# Altium PCB ReboostV2.PcbDoc (part 2 of 2)
Units mm, origin at the board's own origin, x right, y up, seen from the top; angles counter-clockwise.
Board outline 94 x 70 mm, 4 copper layers (Top Layer, Layer 1, Layer 2, Bottom Layer), stack 1.62 mm thick; 177 components, 121 nets, 601 pads, 304 vias.
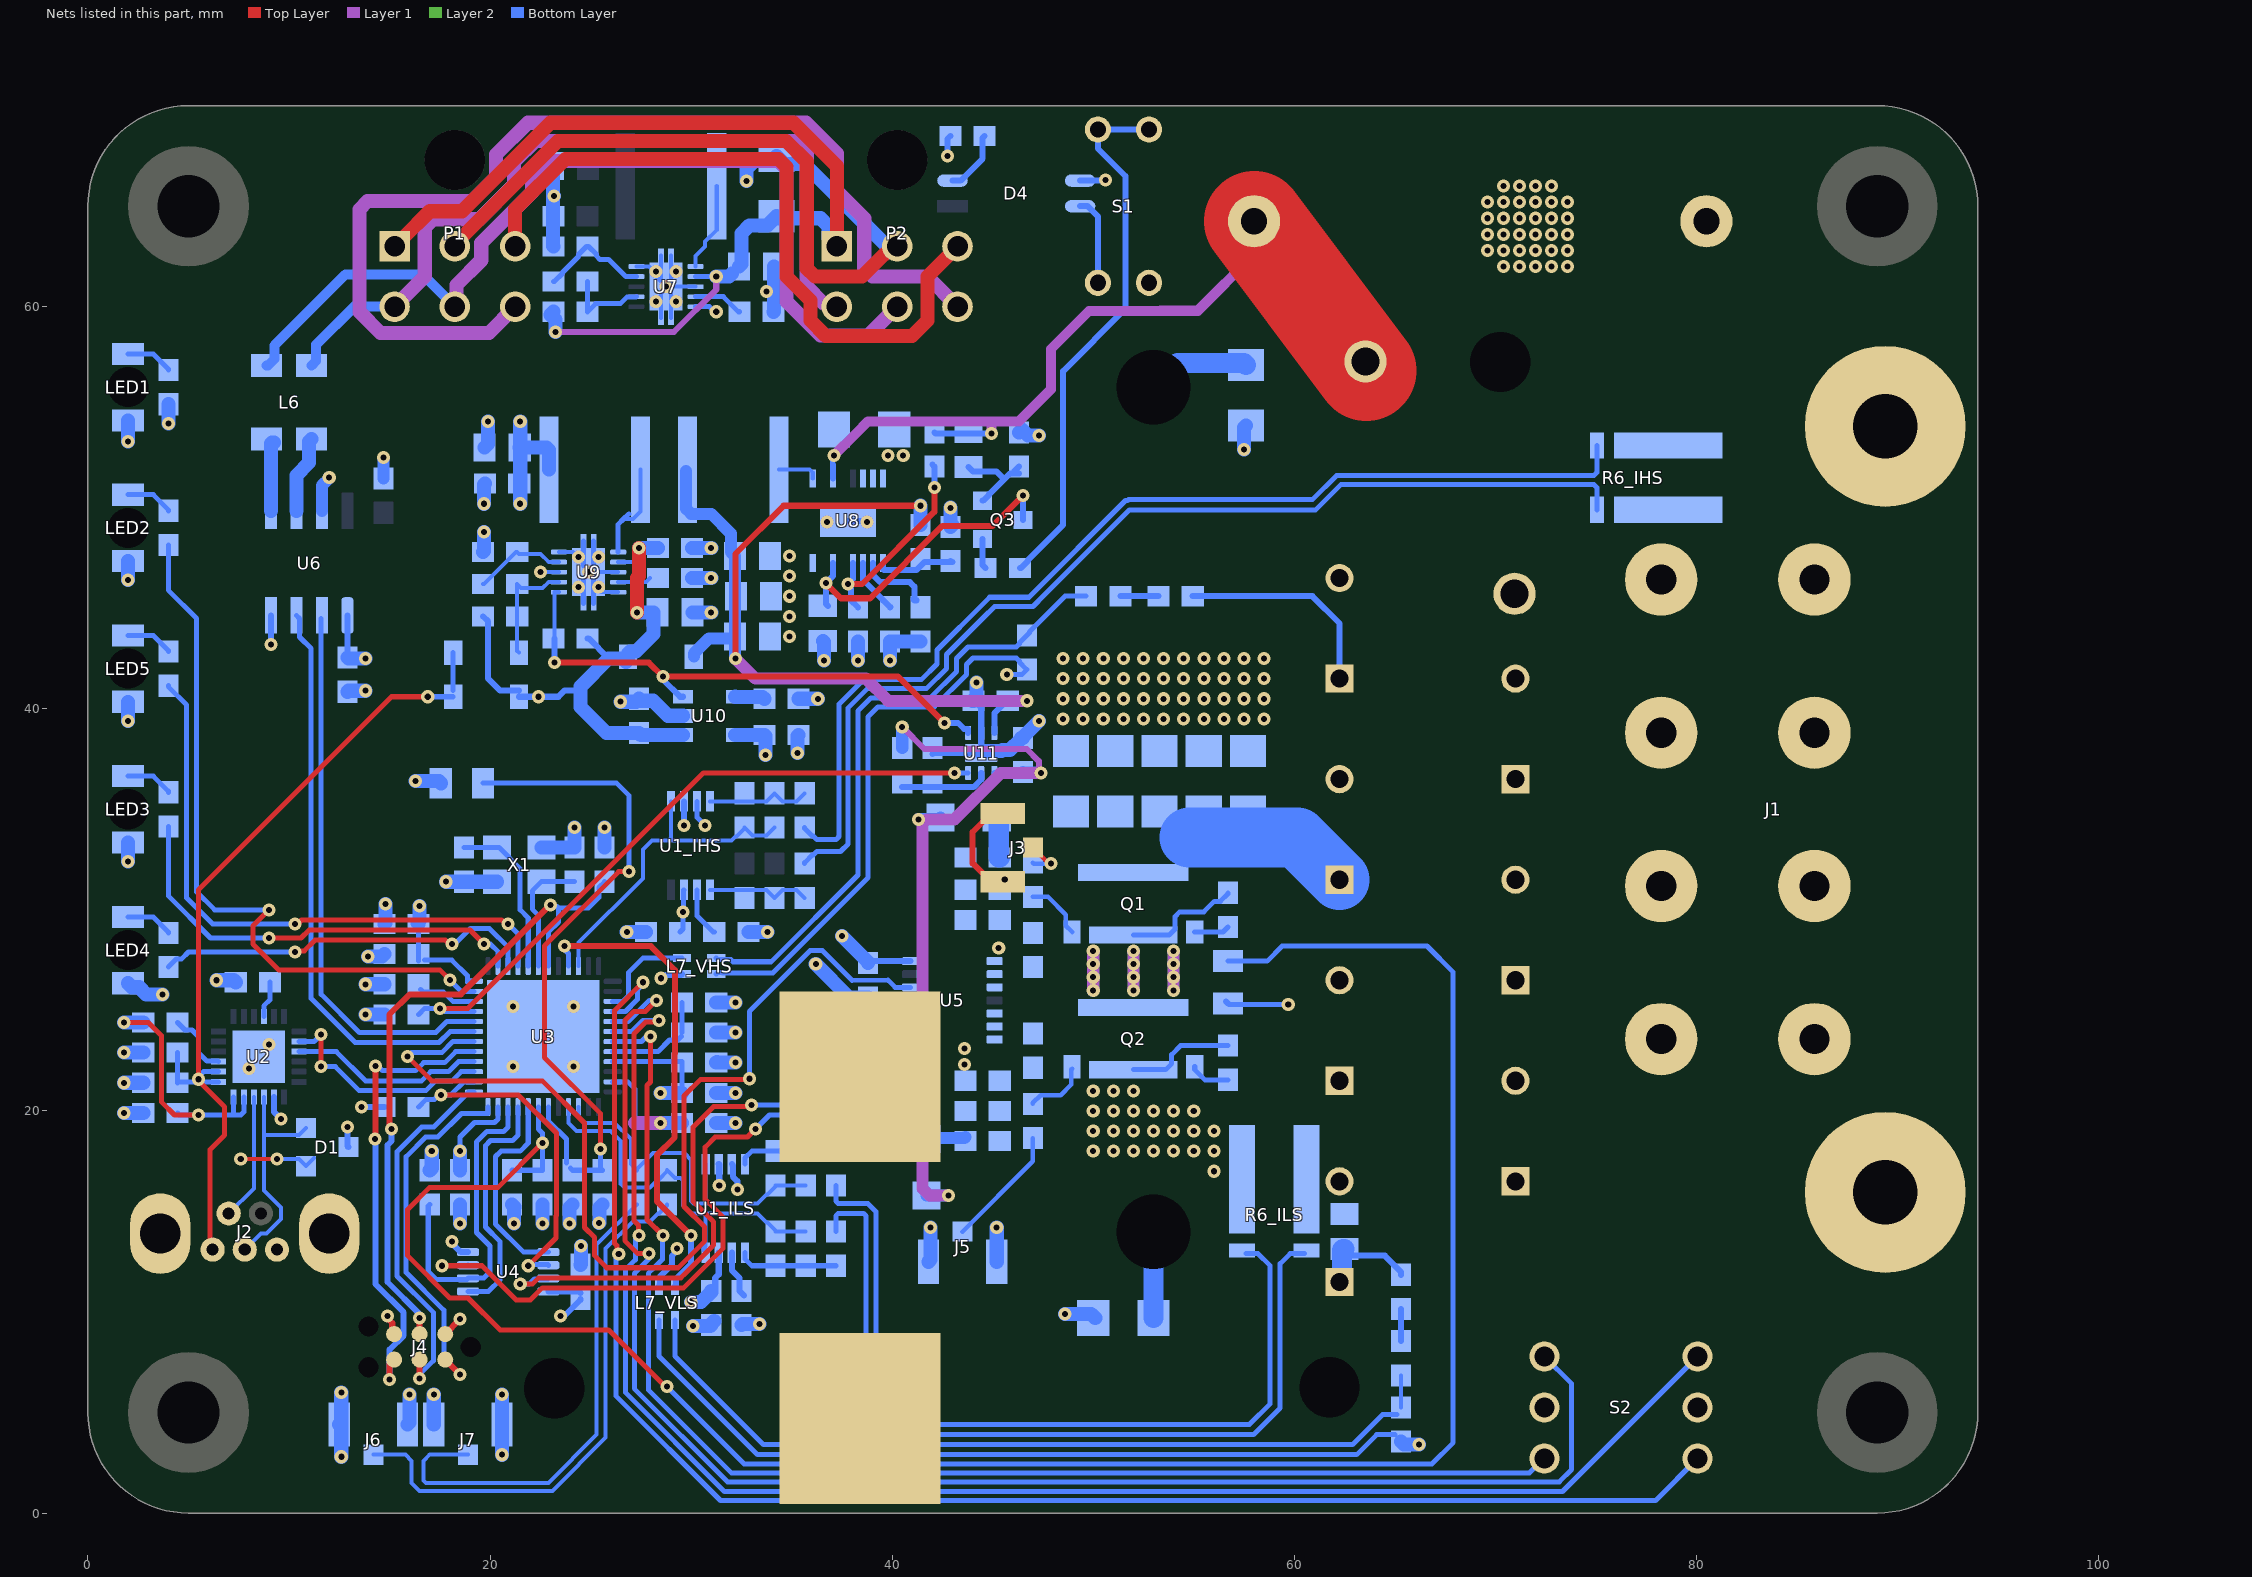
[diagram p4: the nets of this part, all layers, seen from the top]

## Via types
v1: diameter 0.65, hole 0.3, Top Layer to Bottom Layer, tented both sides, 304 vias

## Nets (pads, with @x,y where several pads share a name; then routed paths per layer and width w, separated by ;. In a path a pad name is that pad's centre, name@x,y a point inside that pad or via, vN(x,y) a via of type N, cw(c..) or ccw(c..) an arc to the next point about the centre after c; other vN are vias at no path point) (continued)
_IHS_P: C4_IHS.2 R10_IHS.2 U1_IHS.5 U3.10 | length 16.5
  Bottom Layer w0.2: U3.10@24.4,27.2 24.4,28.366 27.6,31.566 27.6,33.007 28.043,33.45 28.878,33.45 ; U1_IHS.5@28.995,35.4 28.995,33.567 28.878,33.45 ; C4_IHS.2@34.15,34.1 33.75,33.7 33.05,33.7 R10_IHS.2@32.65,34.1 32.65,34.05 32.25,33.65 32.2,33.65 32,33.45 28.878,33.45
_ILS_N: C1_ILS.2 R8_ILS.2 R51.2 U1_ILS.4 U3.28 | length 20
  Bottom Layer w0.2: U3.28@23.9,20.2 23.9,19.4 24.3,19 26,19 26.5,18.5 26.5,16.376 26.676,16.2 27.95,16.2 28.35,16.6 28.4,16.6 28.8,17 R51.2@28.8,17.05 29.191,16.659 29.483,16.659 29.6,16.541 29.6,15.3 30,14.9 30.842,14.9 ; U1_ILS.4@30.62,13.38 30.62,13.055 U1_ILS.4@30.725,12.95 30.725,14.783 30.842,14.9 ; C1_ILS.2@35.7,14 R8_ILS.2@34.2,14 34.2,14.05 33.8,14.45 33.75,14.45 33.3,14.9 30.842,14.9
_ILS_P: C4_ILS.2 R10_ILS.2 R52.2 U1_ILS.5 U3.27 | length 18.6
  Bottom Layer w0.2: U3.27@24.4,20.2 24.4,19.7 24.7,19.4 26.2,19.4 27,18.6 27,17.35 R52.2@27.3,17.05 27.3,17.1 28.1,17.9 29.666,17.9 30,17.566 30,15.517 30.117,15.4 30.725,15.4 ; U1_ILS.5@30.725,17.35 30.725,15.4 ; C4_ILS.2@35.7,16.3 R10_ILS.2@34.2,16.3 34.2,16.25 33.8,15.85 33.75,15.85 33.3,15.4 30.725,15.4
CANH: L6.3 P1.4 P2.4 | length 40.7
  Layer 1 w0.7: P1.4@15.25,60 16.75,61.5 16.75,63.94 17.16,64.35 19.472,64.35 21.2,66.078 21.2,67.2 22.25,68.25 35.34,68.25 35.75,67.84 35.75,61 36.593,60.157 37.093,60.157 P2.4@37.25,60
  Bottom Layer w0.5: L6.3@11.125,57.075 11.347,57.297 11.347,58.107 13.24,60 P1.4@15.25,60
CANL: L6.2 P1.5 P2.5 | length 47
  Layer 1 w0.7: P1.5@18.25,60 18.33,60.08 18.33,61.08 19.56,62.31 19.56,63.165 22.1,65.705 22.1,66.6 22.75,67.25 34.34,67.25 34.75,66.84 34.75,60.25 36.438,58.563 38.812,58.563 P2.5@40.25,60
  Bottom Layer w0.5: L6.2@8.875,57.075 8.955,57.075 9.28,57.4 9.28,58.08 12.8,61.6 16.65,61.6 P1.5@18.25,60
CANRX: U3.43 U6.3 | length 28.6
  Bottom Layer w0.25: U6.3@10.365,44.65 10.523,44.492 10.523,43.577 11.1,43 11.1,25.593 13.293,23.4 17.464,23.4 18.014,23.95 U3.43@19.2,23.95
CANTX: U3.44 U6.2 | length 27.3
  Bottom Layer w0.25: U6.2@11.6,44.5 11.6,25.8 13.5,23.9 17.3,23.9 17.85,24.45 U3.44@19.2,24.45
CGND: C42.1 C43.1 C44.1 C45.1 C46.1 C47.1 P1.2 P2.2 R29.1 R31.1 U6.7 U7.3@30.225,61 U7.5 U7.10 U7.CP | length 62.2
  Top Layer w0.7: P1.2@18.25,63 18.25,63.123 23.377,68.25 34.713,68.25 35.75,67.213 35.75,61.91 36.16,61.5 38.5,61.5 39.59,62.59 39.618,62.59 40.028,63 P2.2@40.25,63
  Bottom Layer w0.2: U7.10@27.275,62 27.9,62 28.296,61.604 28.296,61.454 U7.CP@28.75,61 ; U7.CP@28.5,59.45 28.5,60.669 28.75,60.919 U7.CP@28.75,60.985 ; U7.CP@28.5,61.331 U7.CP@28.5,62.55 ; U7.CP@29,59.45 29,60.735 U7.CP@28.75,60.985 ; U7.CP@29,62.55 29,61.265 28.75,61.015 U7.CP@28.75,61 ; U7.3@30.225,61 U7.CP@28.75,61 ; U7.CP@28.75,60.985 U7.CP@28.75,61
  Bottom Layer w0.25: U7.5@30.225,60 30.902,60 31.152,59.75 v1(31.25,59.75)
  Bottom Layer w0.3: v1(42.75,67.5) 42.75,68.35 R29.1@42.9,68.5
  Bottom Layer w0.6: U6.7@11.635,49.85 11.635,51.108 12,51.473 v1(12,51.5) ; C45.1@14.7,51.45 v1(14.7,52.5) ; v1(33.75,60.75) 33.769,60.769 34.007,60.769 34.113,60.875
  Bottom Layer w0.7: C46.1@23.125,67 23.138,66.987 23.138,65.562 v1(23.186,65.514) ; v1@23.138,65.514 23.138,63.013 R31.1@23.15,63 ; v1(32.75,66.25) 32.75,66.84 33.16,67.25 34,67.25 C44.1@34.25,67.5 34.642,67.108 35.642,67.108 39.593,63.157 40.093,63.157 P2.2@40.25,63 ; C47.1@34.1,59.75 34.113,59.763 34.113,60.75 ; 34.113,60.875 34.113,61.988 C43.1@34.125,62
D_N: D1.K1 J2.2 U2.4 | length 10.9
  Top Layer w0.2: v1(7.6,17.6) v1(9.4,17.6)
  Bottom Layer w0.2: J2.2@7,14.9 8.25,16.15 8.25,17.6 ; v1(7.6,17.6) 8.25,17.6 ; U2.4@8.25,20.7 8.25,17.6 ; v1(9.4,17.6) 10.5,17.6 D1.K1@10.85,17.25 D1.K1@11.25,17.65
D_P: D1.K2 J2.3 U2.3 | length 11.1
  Bottom Layer w0.2: J2.3@7.8,13.1 8.609,13.909 8.882,13.909 9.6,14.627 9.6,15.2 8.75,16.05 8.75,18.8 ; U2.3@8.75,20.7 8.75,18.8 ; D1.K2@10.85,19.15 10.5,18.8 8.75,18.8
DREN: U3.42 U5.5 | length 51.5
  Top Layer w0.25: v1(15.9,22.7) 17.1,21.5 22.6,21.5 24.7,19.4 24.7,14.2 25.2,13.7 25.2,12.8 25.8,12.2 29.355,12.2 30.675,13.52 30.675,14.225 29.65,15.25 29.65,20.75 30.475,21.575 v1@32.9,21.575
  Bottom Layer w0.2: 38,26.5 39.8,26.5
  Bottom Layer w0.25: v1(15.9,22.7) 16.1,22.9 17.6,22.9 18.15,23.45 U3.42@19.2,23.45 ; v1(32.9,21.6) 32.9,24.955 35.92,27.975 36.525,27.975 38,26.5 ; 39.8,26.5 40.15,26.15 U5.5@40.9,26.15
GND: C2_IHS.1 C2_ILS.1 C3_IHS.1 C3_ILS.1 C5.1 C6.1 C7.1 C8.1 C9.1 C10.1 C11.1 C12.1 C13.1 C14.1 C15.1 C16.1 C17.1 C18.1 C19.1 C20.1 C21.1 C22.2 C23.2 C24.2 C25.2 C26.2 C27.2 C28.2 C29.2 C30.1 C31.1 C32.1 C33.1 C36.1 C37.1 C38.1 C39.1 C41.1 C48.1 C49.1 C50.1 C51.1 C52.1 C53.1 C54.1 C55.1 C56.1 C57.1 C58.1 C59.1 C60.1 C63.1 C64.1 D1.A D4.3 J1.0 J2.0 J2.5 J4.5 J5.0 J6.0 J7.0 L7_VHS.3 L7_VHS.4 L7_VLS.3 L7_VLS.4 LED1.1 LED2.1 LED3.1 LED4.1 LED5.1 Q2.S R6_IHS.1 R6_ILS.1 R15.2 R16.1 R17.1 R20.1 R21.1 R35.1 R36.1 R37.1 R39.1 R40.1 R43.1 R48.1 R49_VHS.2 R49_VLS.2 R50.1 S1.2 S2.C U1_IHS.6 U1_ILS.6 U2.0 U2.2 U3.49 U4.4 U5.4 U5.12 U6.4 U8.6 U8.7 U8.8 U8.16 U8.17 U9.3@26.375,46.8 U9.5 U9.10 U9.CP U10.2 U11.5 U11.7 X1.0 | length 185.7
  Top Layer w0.3: v1(14.897,9.797) 14.897,9.689 15.134,9.452 15.134,8.996 J4.5@15.23,8.9
  Bottom Layer w0.2: U9.10@23.425,47.8 24.125,47.8 24.375,47.55 U9.CP@24.4,47.55 ; U9.CP@24.9,46.8 U9.3@26.375,46.8 ; U9.CP@25.5,45.8 U9.5@26.375,45.8
  Bottom Layer w0.25: U9.CP@24.65,45.25 24.65,46.482 U9.CP@24.9,46.732 ; U9.CP@24.65,48.35 24.65,47.118 U9.CP@24.9,46.868 ; U9.CP@25.15,45.25 25.15,46.482 U9.CP@24.9,46.732 ; U9.CP@25.15,48.35 25.15,47.118 U9.CP@24.9,46.868 ; L7_VLS.4@28.4,9.6 28.4,7.8 33.3,2.9 63.1,2.9 64.1,3.9 R49_VLS.2@65,3.9 ; L7_VHS.4@31.25,26.8 31.325,26.875 L7_VHS.4@31.56,26.875 ; L7_VHS.4@31.56,26.855 31.575,26.869 34.069,26.869 38.8,31.6 38.8,39.6 39.3,40.1 42.1,40.1 43.7,41.7 43.7,42.2 44.025,42.525 45.825,42.525 46.179,42.525 46.325,42.379 46.325,42.325 R49_VHS.2@46.7,41.95 46.45,41.7 v1(45.7,41.7) ; Q2.S@52,22.05 53.6,22.05 53.9,22.35 53.9,22.8 54.35,23.25 R50.1@56.7,23.25 ; R20.1@56.7,25.35 56.75,25.3 v1(59.7,25.3) ; U9.CP@24.9,46.732 U9.CP@24.9,46.8 U9.CP@24.9,46.868
  Bottom Layer w0.3: U6.4@9.095,44.65 9.098,44.648 9.098,43.203 v1(9.1,43.2) ; U2.2@9.25,20.7 9.25,19.95 v1(9.6,19.6) ; v1(12.9,19.2) 12.9,18.25 D1.A@12.95,18.2 ; v1(13.6,20.2) R17.1@14.75,20.2 ; v1(18.1,13.5) 18.1,13.425 18.55,12.975 U4.4@18.9,12.975 ; L7_VLS.3@28.4,11.3 28.45,11.35 28.45,11.75 29.05,12.35 29.05,12.792 29.3,13.042 v1(29.3,13.15) ; v1(28.5,26.6) 28.608,26.6 28.758,26.75 29.5,26.75 L7_VHS.3@29.55,26.8 ; U1_IHS.6@29.645,35.4 29.645,34.2 v1(29.65,34.195) ; U1_ILS.6@31.375,17.35 31.4,17.325 v1(31.4,16.3) ; U8.17@37.8,49.35 U8.17@38.4,49.35 ; C18.1@38.8,25.6 38.9,25.5 U5.4@40.9,25.5 ; R48.1@42,37.75 42.05,37.8 U11.7@44.43,37.8 U11.5@44.43,38.795 44.43,40.05 44.08,40.4 C59.1@44.05,40.4 ; D4.3@49.35,66.27 49.365,66.285 50.585,66.285 v1(50.6,66.3) ; R20.1@56.6,25.45 R20.1@56.7,25.35
  Bottom Layer w0.7: v1(1.8,19.9) C8.1@2.75,19.9 ; v1(1.8,21.4) C5.1@2.75,21.4 ; v1(1.8,22.9) C6.1@2.75,22.9 ; LED4.1@2,26.35 2.2,26.15 2.55,26.15 2.9,25.8 v1(3.7,25.8) ; v1(2,32.4) LED3.1@2,33.35 ; v1(2,39.4) LED5.1@2,40.35 ; v1(2,46.4) LED2.1@2,47.35 ; v1(2,53.3) LED1.1@2,54.35 ; v1(6.4,26.5) 7.25,26.5 C7.1@7.35,26.4 ; v1(12.6,2.8) 12.6,4.3 J6.0@12.5,4.4 12.6,4.5 v1(12.6,6) ; C19.1@12.9,40.85 12.95,40.9 v1(13.8,40.9) ; v1(13.8,26.3) R15.2@14.75,26.3 ; v1(13.93,27.675) 14.625,27.675 C17.1@14.75,27.8 ; C39.1@14.75,29.3 14.8,29.35 v1(14.8,30.3) ; J6.0@15.9,4.4 16,4.5 v1(16,5.9) ; v1(16.3,36.4) 17.45,36.4 R21.1@17.55,36.3 ; R16.1@17,17.05 17.1,17.15 v1(17.1,18) ; J7.0@17.2,4.4 v1(17.2,5.9) ; v1(17.8,31.4) C10.1@18.7,31.4 X1.0@20.35,31.4 ; v1(18.5,14.4) C16.1@18.5,15.35 ; R43.1@19.65,47.8 19.7,47.85 v1(19.7,48.8) ; v1(19.7,50.2) 19.7,51.15 C54.1@19.75,51.2 ; C53.1@19.725,53 19.9,53.175 v1(19.9,54.3) ; v1(20.6,2.9) J7.0@20.6,4.4 v1(20.6,5.9) ; X1.0@22.55,33.1 C11.1@24.2,33.1 v1(24.2,34.1) ; v1(22.6,14.4) C20.1@22.6,15.35 ; v1(23.95,14.4) 23.95,15.2 C21.1@24.1,15.35 ; C9.1@24.5,12.35 24.525,12.375 v1(24.525,13.273) ; v1(26.487,40.353) 27.253,40.353 C63.1@27.4,40.5 27.5,40.4 28.1,40.4 28.845,39.655 29.6,39.655 U10.2@29.605,39.65 ; v1(26.8,28.9) C2_IHS.1@27.75,28.9 ; C55.1@30.05,46.5 v1(31,46.5) ; C60.1@30.05,48 v1(31,48) ; C52.1@30.075,44.8 v1(31,44.8) ; v1(30.1,9.3) 30.95,9.3 C58.1@31,9.35 31,9.4 C58.1@31.15,9.55 ; C41.1@31.25,19.4 v1(32.2,19.4) ; C2_ILS.1@31.25,20.9 v1(32.2,20.9) ; C12.1@31.25,22.4 31.277,22.427 31.305,22.4 v1(32.2,22.4) ; C15.1@31.25,23.9 v1(32.2,23.9) ; C14.1@31.25,25.4 v1(32.2,25.4) ; C3_ILS.1@32.5,9.35 32.55,9.4 v1(33.4,9.4) ; C3_IHS.1@32.85,28.9 v1(33.8,28.9) ; v1(35.3,37.8) 35.3,38.65 C13.1@35.35,38.7 ; C57.1@35.35,40.5 v1(36.3,40.5) ; v1(36.2,27.3) 37.85,25.65 C18.1@38.8,25.65 ; R39.1@36.55,43.375 36.6,43.325 v1(36.6,42.4) ; v1(38.3,42.4) R35.1@38.3,43.35 ; v1(39.9,42.4) R40.1@39.9,43.35 C51.1@41.4,43.35 ; J5.0@41.8,12.5 41.9,12.6 v1(41.9,14.2) ; v1(42.9,50) R36.1@42.9,49.05 R36.1@43,49.15 ; C59.1@44.05,40.4 44,40.4 44.2,40.6 v1(44.2,41.3) ; U11.7@44.43,37.8 44.525,37.895 45.431,37.895 45.486,37.95 45.85,37.95 46.4,38.5 C56.1@46.4,38.55 ; J5.0@45.2,12.5 v1(45.2,14.2) ; R37.1@46.3,53.75 46.45,53.9 46.75,53.6 v1(47.3,53.6) ; C56.1@46.5,38.55 46.5,38.6 v1(47.3,39.4) ; v1(48.6,9.9) 49.9,9.9 C27.2@50.1,9.7 ; v1(57.5,52.9) 57.5,54 C29.2@57.6,54.1 ; R49_VLS.2@65.3,3.55 65.45,3.4 v1(66.2,3.4)
  other v1: 56,17 50,18 51,18 52,18 53,18 54,18 55,18 56,18 50,19 51,19 52,19 53,19 54,19 55,19 56,19 50,20 51,20 52,20 53,20 54,20 55,20 50,21 51,21 52,21 8,22.1 21.15,22.2 24.15,22.2 43.6,22.3 43.6,23.1 9,23.3 21.15,25.2 24.15,25.2 48.5,39.5 49.5,39.5 50.5,39.5 51.5,39.5 52.5,39.5 53.5,39.5 54.5,39.5 55.5,39.5 56.5,39.5 57.5,39.5 58.5,39.5 48.5,40.5 49.5,40.5 50.5,40.5 51.5,40.5 52.5,40.5 53.5,40.5 54.5,40.5 55.5,40.5 56.5,40.5 57.5,40.5 58.5,40.5 48.5,41.5 49.5,41.5 50.5,41.5 51.5,41.5 52.5,41.5 53.5,41.5 54.5,41.5 55.5,41.5 56.5,41.5 57.5,41.5 58.5,41.5 48.5,42.5 49.5,42.5 50.5,42.5 51.5,42.5 52.5,42.5 53.5,42.5 54.5,42.5 55.5,42.5 56.5,42.5 57.5,42.5 58.5,42.5 34.9,43.6 34.9,44.6 34.9,45.6 34.9,46.6 34.9,47.6 36.75,49.3 38.75,49.3 39.8,52.6 40.55,52.6 70.4,62 71.2,62 72,62 72.8,62 73.6,62 69.6,62.8 70.4,62.8 71.2,62.8 72,62.8 72.8,62.8 73.6,62.8 69.6,63.6 70.4,63.6 71.2,63.6 72,63.6 72.8,63.6 73.6,63.6 69.6,64.4 70.4,64.4 71.2,64.4 72,64.4 72.8,64.4 73.6,64.4 69.6,65.2 70.4,65.2 71.2,65.2 72,65.2 72.8,65.2 73.6,65.2 70.4,66 71.2,66 72,66 72.8,66
HI: U4.7 U5.3 | length 31.4
  Top Layer w0.25: v1(21.5,11.4) 22.122,11.4 22.422,11.7 29.491,11.7 29.716,11.925 31.125,13.334 31.125,14.475 30.1,15.5 30.1,19.2 31.125,20.225 32.925,20.225 v1(33,20.3)
  Bottom Layer w0.25: v1(21.5,11.4) 21.955,11.4 22.204,11.649 22.874,11.649 U4.7@22.9,11.675 ; v1(33,20.3) 35.396,20.3 39.946,24.85 U5.3@40.9,24.85
HS: U3.33 U4.1 | length 12.1
  Bottom Layer w0.25: U4.1@18.9,11.025 19.925,11.025 20.5,11.6 20.5,13.5 19.775,14.225 19.775,18.275 20.025,18.525 21.125,18.525 21.4,18.8 U3.33@21.4,20.2
HSEN: R16.2 U3.34 U4.2 | length 16.4
  Bottom Layer w0.25: R16.2@17,15.35 16.925,15.275 16.925,12.02 17.32,11.625 18.85,11.625 18.925,11.7 19.7,11.7 20,12 20,13.277 19.325,13.952 19.325,18.461 19.839,18.975 20.675,18.975 20.9,19.2 U3.34@20.9,20.2
HSG: R22.1 U5.9
HSS: C40.1 C61.1 J3.0 L2.1 Q1.S Q2.D R24.1 U5.8 | length 22.7
  Top Layer w0.3: J3.0@45.5,31.4 44.925,31.4 44.025,32.3 44,32.3 44,33.875 44.925,34.8 J3.0@45.5,34.8
  Layer 1 w0.6: v1(50,26) v1@50,27.9 ; v1(52,26) v1(52,27.95) ; v1(54,26) v1@54,27.9
  Layer 2 w0.6: v1(50,26) v1@50,27.9 ; v1(52,26) v1@52,27.9 ; v1(54,26) v1@54,27.9
  Bottom Layer w0.25: Q1.S@52,28.75 53.775,28.75 54.075,29.05 54.075,29.675 54.3,29.9 55.5,29.9 56.025,30.425 56.325,30.425 56.7,30.8 R24.1@56.7,30.85
  other v1: 50,26.65 52,26.65 54,26.65 50,27.3 52,27.3 54,27.3 50,27.95 54,27.95 45.3,28.1 45.6,31.5
ID0: S2.1 U3.16 | length 80.5
  Top Layer w0.25: v1(26.4,12.875) 26.314,12.961 26.314,13.295 26.2,13.409 26.2,25 v1(27.6,26.4)
  Bottom Layer w0.25: U3.16@26.1,24.95 26.734,24.95 27.325,25.541 27.325,26.003 27.6,26.278 v1(27.6,26.4) ; v1(26.4,12.875) 26.4,12.8 26.275,12.675 26.275,5.816 31.466,0.625 77.975,0.625 S2.1@80.06,2.71
ID1: S2.2 U3.17 | length 79
  Top Layer w0.25: v1(27.9,12.9) 27.345,12.9 26.7,13.545 26.7,24.5 27.157,24.957 27.732,24.957 v1(28.275,25.5)
  Bottom Layer w0.25: U3.17@26.1,24.45 26.871,24.45 27.921,25.5 v1(28.275,25.5) ; v1(27.9,12.9) 27.9,12.636 27.175,11.911 27.175,6.189 31.814,1.55 73.184,1.55 73.8,2.166 73.8,6.43 S2.2@72.44,7.79
ID2: S2.4 U3.18 | length 80.4
  Top Layer w0.25: v1(27.4,13.8) 27.387,13.813 27.387,14.313 27.15,14.55 27.15,23.83 27.734,24.414 28.314,24.414 v1(28.4,24.5)
  Bottom Layer w0.25: U3.18@26.1,23.95 27.05,23.95 27.6,24.5 v1(28.4,24.5) ; v1(27.4,13.8) 27.225,13.625 27.225,12.598 26.725,12.098 26.725,6.002 31.652,1.075 73.345,1.075 S2.4@80.06,7.79
ID3: S2.8 U3.19 | length 66.8
  Top Layer w0.25: v1(27.975,23.7) 27.975,21.437 27.8,21.262 27.8,14.6 v1(28.6,13.8)
  Bottom Layer w0.25: U3.19@26.1,23.45 26.598,23.45 27.529,23.45 27.779,23.7 v1(27.975,23.7) ; v1(28.6,13.8) 28.575,13.775 28.575,12.62 28.179,12.225 27.875,11.921 27.875,6.125 32,2 71.7,2 72.41,2.71 S2.8@72.44,2.71
LED0: R5.2 U3.4 | length 29.9
  Top Layer w0.25: v1(10.3,29.3) 10.422,29.3 10.622,29.5 20.578,29.5 20.778,29.3 v1(20.9,29.3)
  Bottom Layer w0.25: R5.2@4,41.15 4,41.1 4.9,40.2 4.9,30.6 6.2,29.3 v1(10.3,29.3) ; v1(20.9,29.3) 21.4,28.8 U3.4@21.4,27.2
LED1: R4.2 U3.3 | length 19.2
  Top Layer w0.25: v1(10.3,27.9) 10.363,27.963 10.763,27.963 11.3,28.5 17.778,28.5 17.978,28.3 v1(18.1,28.3)
  Bottom Layer w0.25: R4.2@4,27.15 4,27.162 4.4,27.562 4.662,27.562 5,27.9 v1(10.3,27.9) ; v1(18.1,28.3) 18.245,28.3 19.02,29.075 19.961,29.075 20.9,28.136 U3.3@20.9,27.2
LED2: R3.2 U3.2 | length 22.1
  Top Layer w0.25: v1(9,28.6) 10.6,28.6 11,29 19,29 v1(19.7,28.3)
  Bottom Layer w0.25: R3.2@4,34.15 4,30.7 6.1,28.6 v1(9,28.6) ; v1(19.7,28.3) 20.015,28.3 20.4,27.915 U3.2@20.4,27.2
LED3: R2.2 U3.47 | length 35.8
  Top Layer w0.25: v1(9,30) 8.2,29.2 8.2,28.3 9.5,27 17.52,27 v1(18.007,26.513)
  Bottom Layer w0.25: R2.2@4,48.15 4,45.9 5.4,44.5 5.4,30.9 6.3,30 v1(9,30) ; v1(18.007,26.513) 18.007,26.493 18.55,25.95 U3.47@19.2,25.95
LO: U4.3 U5.2 | length 35.1
  Top Layer w0.25: v1(17.6,12.3) 19.6,12.3 21.3,10.6 22,10.6 22.6,11.2 29.627,11.2 29.902,11.475 31.575,13.148 31.575,14.725 30.7,15.6 30.7,18.2 31.2,18.7 32.8,18.7 v1(33.2,19.1)
  Bottom Layer w0.25: v1(17.6,12.3) 17.613,12.313 18.888,12.313 U4.3@18.9,12.325 ; v1(33.2,19.1) 33.9,19.8 35.532,19.8 39.932,24.2 U5.2@40.9,24.2
LS: U3.32 U4.5 | length 10.3
  Bottom Layer w0.25: U3.32@21.9,20.2 21.9,18.4 21.5,18 20.54,18 20.275,17.735 20.275,14.37 21.67,12.975 U4.5@22.9,12.975
LSEN: R17.2 U3.38 U4.6 | length 18
  Top Layer w0.25: v1(17.56,20.785) 21.415,20.785 23.3,18.9 23.3,14.8 23.275,14.775 23.275,13.675 v1(21.9,12.3)
  Bottom Layer w0.25: R17.2@16.45,20.2 16.825,20.575 17.228,20.575 17.438,20.785 v1(17.56,20.785) 17.575,20.8 18.052,20.8 18.702,21.45 18.838,21.45 U3.38@19.2,21.45 ; v1(21.9,12.3) 21.956,12.356 22.869,12.356 U4.6@22.9,12.325
LSG: R27.1 U5.13
NetC1_IHS_1: C1_IHS.1 R7_IHS.2 R8_IHS.1 U1_IHS.1 | length 5.2
  Bottom Layer w0.2: U1_IHS.1@30.945,31 33.75,31 C1_IHS.1@34.15,30.6 34.55,31 35.25,31 R7_IHS.2@35.65,30.6
NetC1_ILS_1: C1_ILS.1 R7_ILS.2 R8_ILS.1 U1_ILS.1 | length 5
  Bottom Layer w0.25: U1_ILS.1@32.675,12.95 32.675,12.645 33.02,12.3 R7_ILS.2@37.2,12.3
NetC3_IHS_2: C3_IHS.2 U1_IHS.2 | length 2.5
  Bottom Layer w0.25: U1_IHS.2@30.295,31 30.295,29.705 31.1,28.9 C3_IHS.2@31.15,28.9
NetC3_ILS_2: C3_ILS.2 U1_ILS.2 | length 2.4
  Bottom Layer w0.3: U1_ILS.2@32.025,12.95 32.025,12.075 32.4,11.7 32.4,11.05 C3_ILS.2@32.625,10.825
NetC4_IHS_1: C4_IHS.1 R9_IHS.2 R10_IHS.1 U1_IHS.8 | length 5.2
  Bottom Layer w0.2: U1_IHS.8@30.945,35.4 33.75,35.4 C4_IHS.1@34.15,35.8 34.55,35.4 35.25,35.4 R9_IHS.2@35.65,35.8
NetC4_ILS_1: C4_ILS.1 R9_ILS.2 R10_ILS.1 U1_ILS.8 | length 5
  Bottom Layer w0.25: U1_ILS.8@32.675,17.35 32.675,17.655 33.02,18 R9_ILS.2@37.2,18
NetC7_2: C7.2 U2.16 | length 1.8
  Bottom Layer w0.25: U2.16@8.75,24.7 8.75,25.225 9.05,25.525 C7.2@9.05,26.4
NetC10_2: C10.2 U3.5 X1.1 | length 8.3
  Bottom Layer w0.25: C10.2@18.7,33.1 X1.1@20.35,33.1 20.45,33.1 21.5,32.05 21.5,30 21.9,29.6 U3.5@21.9,27.2
NetC11_2: C11.2 U3.6 X1.2 | length 6.2
  Bottom Layer w0.25: U3.6@22.4,27.2 22.4,27.562 22.4,29.736 22.1,30.036 22.1,30.95 X1.2@22.55,31.4 C11.2@24.2,31.4
NetC14_2: C14.2 C15.2 U3.20 | length 5.2
  Bottom Layer w0.25: U3.20@26.1,22.95 28.35,22.95 28.925,23.525 29.335,23.525 C15.2@29.51,23.7 ; C15.2@29.55,23.9 C14.2@29.55,25.4
NetC27_1: C27.1 MP1.1 | length 4.3